# Altium PCB braking_io.PcbDoc (part 1 of 4) (continued)
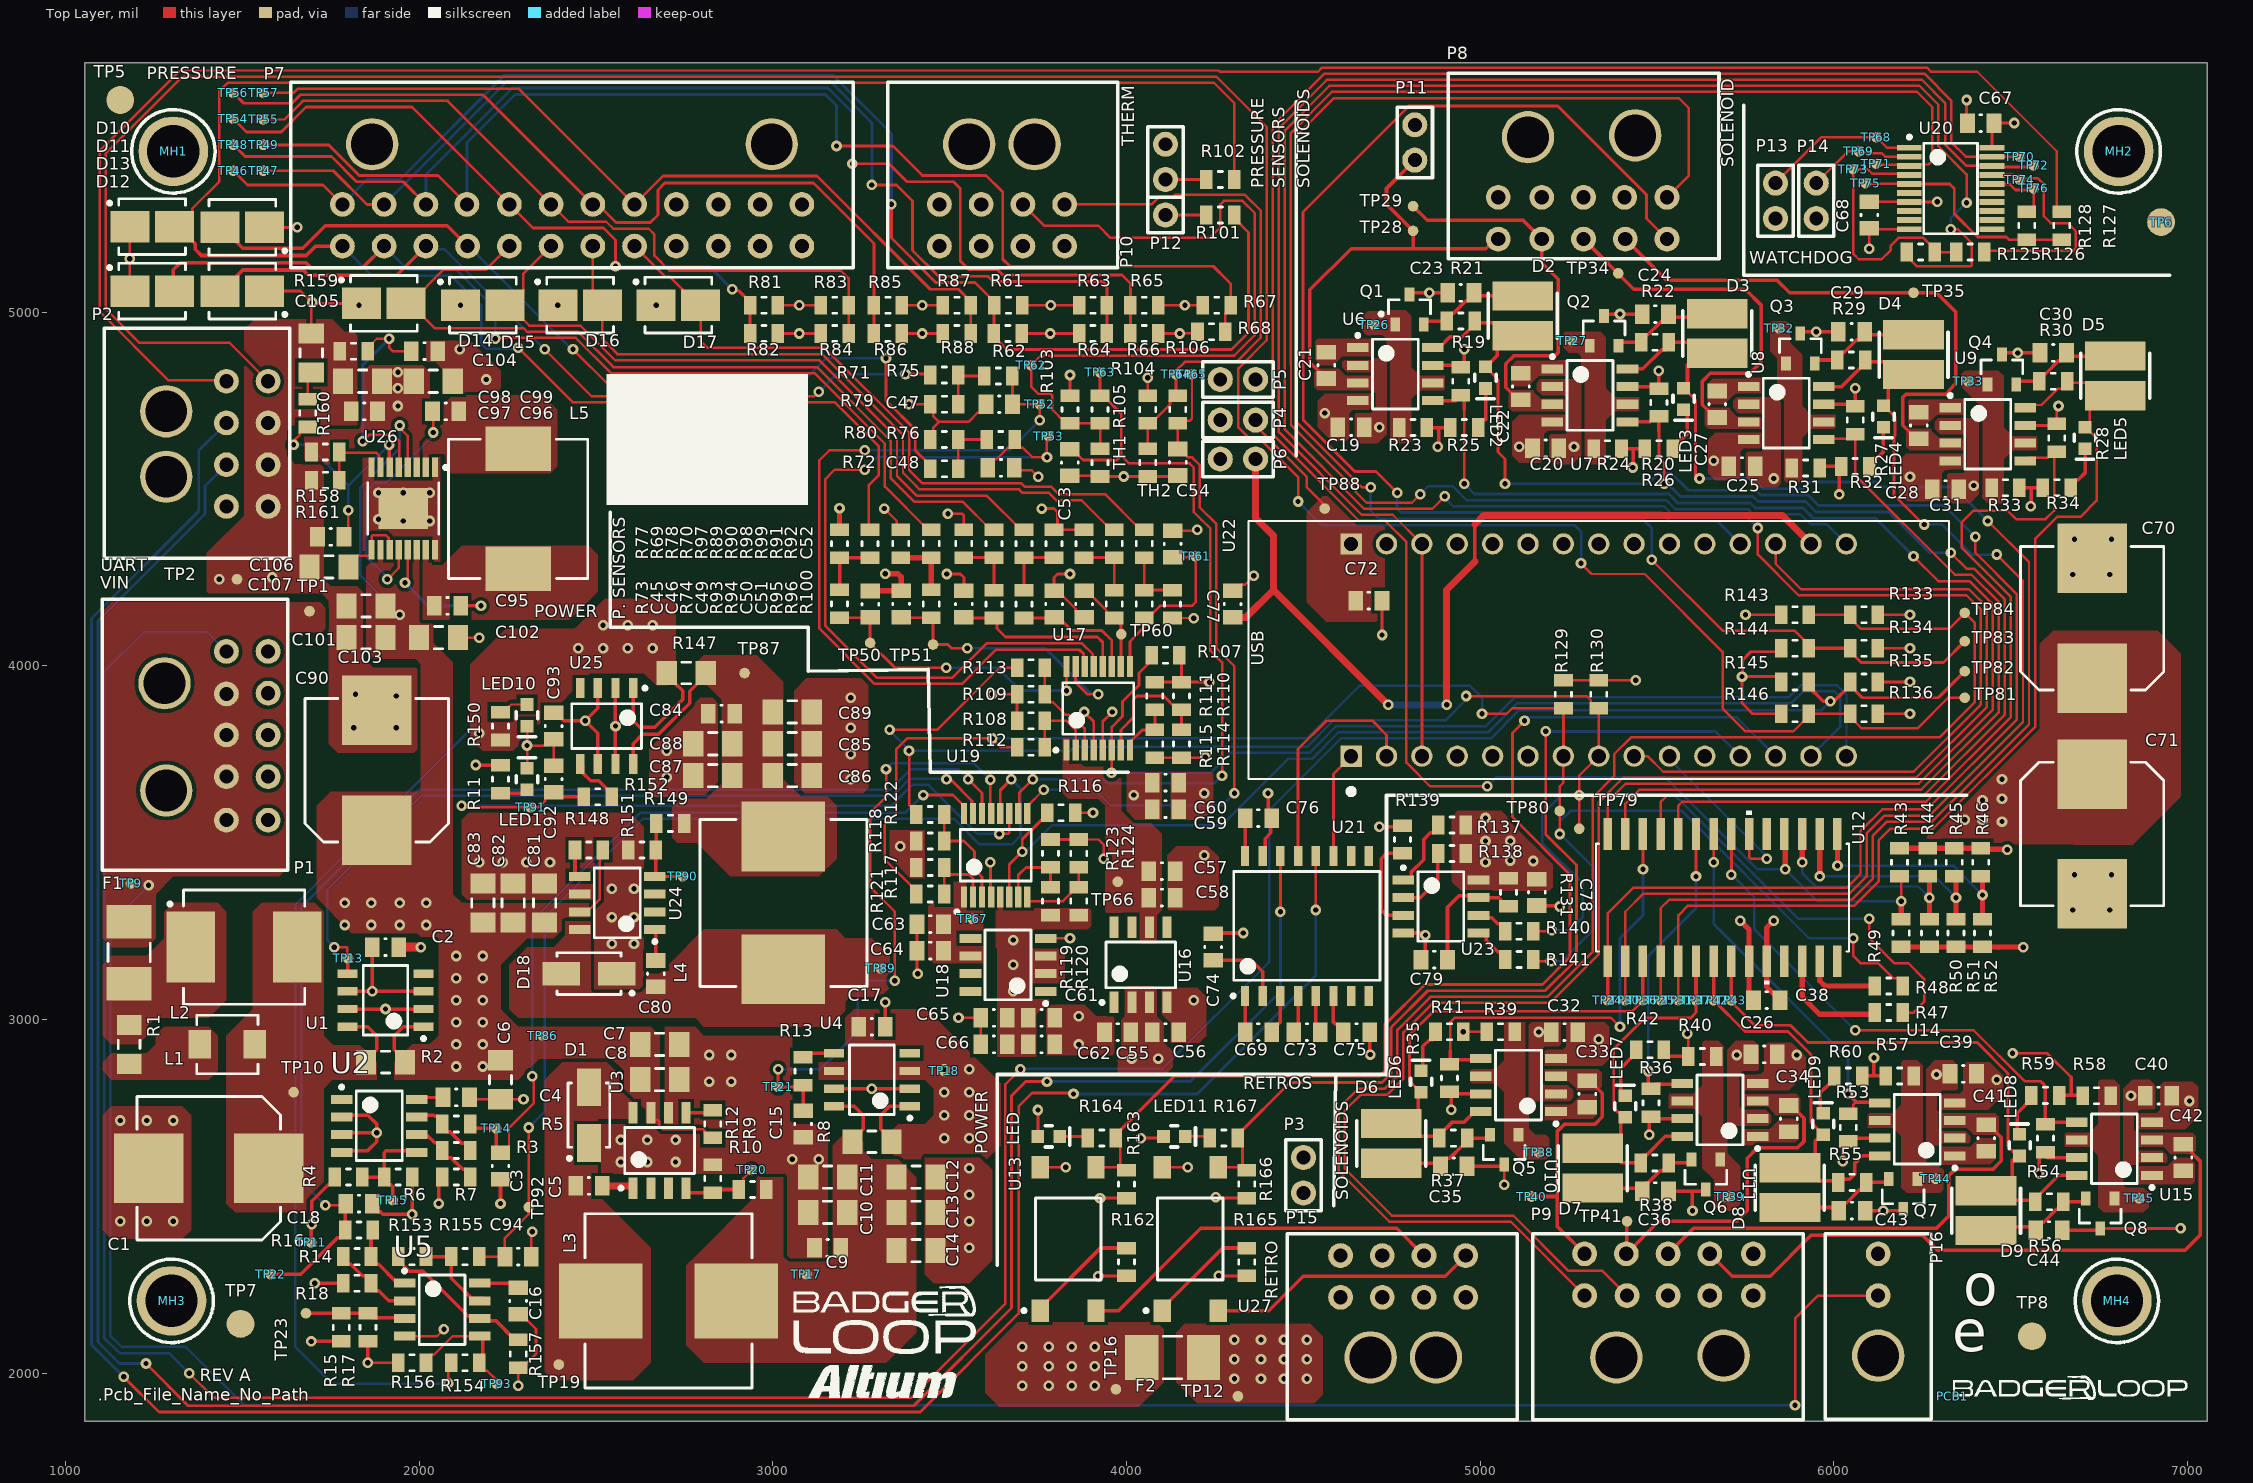
[diagram p0: Top Layer view]
## Components (designator, comment, footprint, x,y, rotation, side; value= is the part's Value field where it differs from the comment)
C1 "PCR1J101MCL1GS" CAPAE110103X126M 1405,2580 r180 top
C2 "0.10µF" SMD-0805C 1905,3205 r180 top
C3 "0.10µF" SMD-0805C 2230,2586.5 r270 top
C4 "0.10µF" SMD-0805C 2105,2780 r0 top
C5 "10000pF" SMD-0805C 2480,2530 r180 top
C6 "22µF" SMD-1206C 2230,2830 r270 top
C7 "4.7µF" SMD-1206C 2680,2930 r0 top
C8 "4.7µF" SMD-1206C 2680,2830.79 r0 top
C9 "0.10µF" SMD-0805C 3155,2355 r180 top
C10 "22µF" SMD-1206C 3155,2455 r180 top
C11 "22µF" SMD-1206C 3155,2555 r180 top
C12 "22µF" SMD-1206C 3405,2555 r0 top
C13 "22µF" SMD-1206C 3405,2455 r0 top
C14 "22µF" SMD-1206C 3405,2347.13 r0 top
C15 "0.10µF" SMD-0805C 3085.51,2705 r270 top
C16 "0.10µF" SMD-0805C 2280,2205 r270 top
C17 "0.10µF" SMD-0805C 3280,2980 r180 top
C18 "0.10µF" SMD-0805C 1830,2480 r0 top
C19 "0.10µF" SMD-0805C 4635,4675 r180 top
C20 "0.10µF" SMD-0805C 5185,4615 r180 top
C21 "0.10µF" SMD-0805C 4565,4850 r270 top
C22 "0.10µF" SMD-0805C 5115,4790 r270 top
C23 "0.22µF" SMD-0805C 4945,5055 r180 top
C24 "0.22µF" SMD-0805C 5495,4995 r180 top
C25 "0.10µF" SMD-0805C 5740,4565 r180 top
C26 "0.10µF" SMD-0805C 5802.83,2901.73 r0 top
C27 "0.10µF" SMD-0805C 5670,4740 r270 top
C28 "0.10µF" SMD-0805C 6240,4680 r270 top
C29 "0.22µF" SMD-0805C 6050,4945 r180 top
C30 "0.22µF" SMD-0805C 6620,4885 r180 top
C31 "0.10µF" SMD-0805C 6315,4500 r180 top
C32 "0.10µF" SMD-0805C 5237.83,2965 r0 top
C33 "0.10µF" SMD-0805C 5302.83,2790 r90 top
C34 "0.10µF" SMD-0805C 5872.83,2720 r90 top
C35 "0.22µF" SMD-0805C 4925,2585 r0 top
C36 "0.22µF" SMD-0805C 5495,2515 r0 top
C38 "4.7µF" SMD-0805C 5810,3055 r0 top
C39 "0.10µF" SMD-0805C 6365.67,2846.73 r0 top
C40 "0.10µF" SMD-0805C 6917.83,2785 r0 top
C41 "0.10µF" SMD-0805C 6430.67,2665 r90 top
C42 "0.10µF" SMD-0805C 6987.83,2610 r90 top
C43 "0.22µF" SMD-0805C 6050.67,2460 r0 top
C44 "0.22µF" SMD-0805C 6607.83,2405 r0 top
C45 "0.10µF" SMD-0805C 3275.98,4174.65 r90 top
C46 "0.10µF" SMD-0805C 3362.86,4175.63 r90 top
C47 "0.10µF" SMD-0805C 3640,4740 r180 top
C48 "0.10µF" SMD-0805C 3645,4560 r0 top
C49 "0.10µF" SMD-0805C 3540,4175 r90 top
C50 "0.10µF" SMD-0805C 3795,4175 r90 top
C51 "0.10µF" SMD-0805C 3880,4175 r270 top
C52 "0.10µF" SMD-0805C 4130,4345 r90 top
C53 "0.10µF" SMD-0805C 3840,4575 r270 top
C54 "0.10µF" SMD-0805C 4145,4575.98 r270 top
C55 "1µF" SMD-0805C 3975,2965 r180 top
C56 "0.10µF" SMD-0805C 4110,2965 r0 top
C57 "1µF" SMD-0805C 4100,3420 r0 top
C58 "0.10µF" SMD-0805C 4100,3345 r0 top
C59 "1µF" SMD-0805C 4110,3595 r0 top
C60 "0.10µF" SMD-0805C 4110,3670 r0 top
C61 "1µF" SMD-0805C 3760,3005 r0 top
C62 "0.10µF" SMD-0805C 3760,2930 r0 top
C63 "1µF" SMD-0805C 3445,3270 r180 top
C64 "0.10µF" SMD-0805C 3445,3195 r180 top
C65 "1µF" SMD-0805C 3625,3005 r180 top
C66 "0.10µF" SMD-0805C 3625,2930 r180 top
C67 "0.10µF" SMD-0805C 6415,5535 r180 top
C68 "0.10µF" SMD-0805C 6100,5275 r270 top
C69 "0.10µF" SMD-0805C 4372.6,2965 r180 top
C70 "PCR1J101MCL1GS" CAPAE110103X126M 6730,4135 r90 top
C71 "PCR1J101MCL1GS" CAPAE110103X126M 6730,3525 r270 top
C72 "1µF" SMD-0805C 4685,4185 r0 top
C73 "0.10µF" SMD-0805C 4510,2965 r180 top
C74 "0.10µF" SMD-0805C 4245,3205 r270 top
C75 "0.10µF" SMD-0805C 4650,2965 r180 top
C76 "0.10µF" SMD-0805C 4372.6,3570 r0 top
C77 "1µF" SMD-0805C 4300,4175 r90 top
C78 "1µF" SMD-0805C 5160,3360 r270 top
C79 "1µF" SMD-0805C 4870,3170 r180 top
C80 "10000pF" SMD-0805C 2669.17,3130 r270 top
C81 "22µF" SMD-1206C 2355,3330 r90 top
C82 "4.7µF" SMD-1206C 2265.63,3330 r90 top
C83 "4.7µF" SMD-1206C 2180,3330 r90 top
C84 "0.10µF" SMD-0805C 2855,3865 r180 top
C85 "22µF" SMD-1206C 3055,3780 r0 top
C86 "22µF" SMD-1206C 3055,3690 r0 top
C87 "22µF" SMD-1206C 2830,3690 r180 top
C88 "22µF" SMD-1206C 2830,3780 r180 top
C89 "22µF" SMD-1206C 3055,3870 r0 top
C90 "PCR1J101MCL1GS" CAPAE110103X126M 1880,3705 r90 top
C92 "0.10µF" SMD-0805C 2380,3680 r90 top
C93 "0.10µF" SMD-0805C 2380,3830 r90 top
C94 "0.10µF" SMD-0805C 2280,2330 r0 top
C95 "0.068µF" SMD-0805C 2080,4170 r0 top
C96 "0.068µF" SMD-0805C 2075,4720 r180 top
C97 "1µF" SMD-0805C 1845,4720 r180 top
C98 "22µF" SMD-1206C 1840,4805 r180 top
C99 "22µF" SMD-1206C 2040,4805 r0 top
C101 "10µF" SMD-1206C 1850,4170 r180 top
C102 "10µF" SMD-1206C 2055,4080 r0 top
C103 "1µF" SMD-1206C 1850,4080 r180 top
C104 "0.015µF" SMD-0805C 2015,4890 r0 top
C105 "10µF" SMD-1206C 1695,4885 r90 top
C106 "10pF" SMD-0805C 1750,4365 r180 top
C107 "4.7µF" SMD-1206C 1745,4280 r180 top
D1 "B340A-13-F" DIOM4326X20N 2480,2730 r90 top
D2 "1N4148WQ-7-F" INDM3838X18N 5120,4990 r270 top
D3 "1N4148WQ-7-F" INDM3838X18N 5670,4940 r270 top
D4 "1N4148WQ-7-F" INDM3838X18N 6225,4880 r270 top
D5 "1N4148WQ-7-F" INDM3838X18N 6795,4820 r270 top
D6 "1N4148WQ-7-F" INDM3838X18N 4747.83,2650 r90 top
D7 "1N4148WQ-7-F" INDM3838X18N 5317.83,2580 r90 top
D8 "1N4148WQ-7-F" INDM3838X18N 5875.67,2525 r90 top
D9 "1N4148WQ-7-F" INDM3838X18N 6430,2460 r90 top
D10 "SMBJ15A" DIOM4436X26N 1245,5242.4 r0 top
D11 "SMBJ15A" DIOM4436X26N 1245,5060 r0 top
D12 "SMBJ15A" DIOM4436X26N 1500,5060 r180 top
D13 "SMBJ15A" DIOM4436X26N 1500,5240 r180 top
D14 "SMBJ15A" DIOM4436X26N 1900,5025 r0 top
D15 "SMBJ15A" DIOM4436X26N 2180,5020 r0 top
D16 "SMBJ15A" DIOM4436X26N 2455,5020 r0 top
D17 "SMBJ15A" DIOM4436X26N 2732.99,5020 r0 top
D18 "B340A-13-F" DIOM4326X20N 2480,3130 r180 top
F1 "CB61F15A-TR1" RESC6132X26N 1180,3189.65 r270 top
F2 "CB61F15A-TR1" RESC6132X26N 4130,2045 r0 top
L1 "0410CDMCCDS-R10MC" INDM4442X20N 1457.76,2930 r0 top
L2 "IHLP3232DZER1R0M11" INDM8682X40N 1505,3205 r0 top
L3 "SRR1280A-330M" INDM120125X75N 2705,2205 r0 top
L4 "SRR1210-390M" INDM120120X100N 3030,3330 r90 top
L5 "744066150" INDP100100X38N 2280,4444.29 r90 top
LED "LED GREEN 0603" "LED 0603 GREEN" 3780,2670 r0 top
LED1 "LED GREEN 0603" "LED 0603 GREEN" 2305,3680 r90 top
LED2 "GREEN" "LED 0603 GREEN" 5015,4815 r270 top
LED3 "GREEN" "LED 0603 GREEN" 5575,4755 r270 top
LED4 "GREEN" "LED 0603 GREEN" 6140,4705 r270 top
LED5 "GREEN" "LED 0603 GREEN" 6710,4645 r270 top
LED6 "GREEN" "LED 0603 GREEN" 4832.83,2825 r90 top
LED7 "GREEN" "LED 0603 GREEN" 5410,2755 r90 top
LED8 "GREEN" "LED 0603 GREEN" 6525,2645 r90 top
LED9 "GREEN" "LED 0603 GREEN" 5970,2705 r90 top
LED10 "LED GREEN 0603" "LED 0603 GREEN" 2305,3860.51 r270 top
LED11 "LED GREEN 0603" "LED 0603 GREEN" 4135,2670 r0 top
MH1 "4-40 Mount Hole" MH 1305,5455 r0 top
MH2 "4-40 Mount Hole" MH 6805,5455 r0 top
MH3 "4-40 Mount Hole" MH 1300,2205 r0 top
MH4 "4-40 Mount Hole" MH 6800,2205 r0 top
P1 "43045-1000" 430451000 1285,3648 r270 top
P2 "43045-0800" 430450800 1285,4535 r270 top
P3 "Header 2" "Pin Header 1x2 TH Pitch 2.54mm" 4500,2510 r90 top
P4 "Header 2" "Pin Header 1x2 TH Pitch 2.54mm" 4365,4695 r180 top
P5 "Header 2" "Pin Header 1x2 TH Pitch 2.54mm" 4365,4810 r180 top
P6 "Header 2" "Pin Header 1x2 TH Pitch 2.54mm" 4365,4585 r180 top
P7 "43045-2400" 430452400 1867,5475 r180 top
P8 "43045-1000" 430451000 5135,5495 r180 top
P9 "43045-1000" 430451000 5688,2050 r0 top
P10 "43045-0800" 430450800 3555,5475 r180 top
P11 "Header 2" "Pin Header 1x2 TH Pitch 2.54mm" 4815,5430 r90 top
P12 "Header 3" "Pin Header 1x3 TH Pitch 2.54mm" 4110,5275 r90 top
P13 "Header 2" "Pin Header 1x2 TH Pitch 2.54mm" 5835,5265 r90 top
P14 "Header 2" "Pin Header 1x2 TH Pitch 2.54mm" 5950,5265 r90 top
P15 "43045-0800" 430450800 4875,2045 r0 top
P16 "43045-0200" 430450200 6125,2050 r0 top
PCB1 "HV_IO" PCB 6335,1935 r0 top
Q1 "MMBT3906" SOTFL103P240X110-3N 4865,4942.68 r90 top
Q2 "MMBT3906" SOTFL103P240X110-3N 5415,4882.68 r90 top
Q3 "MMBT3906" SOTFL103P240X110-3N 5970,4832.68 r90 top
Q4 "MMBT3906" SOTFL103P240X110-3N 6540,4772.68 r90 top
Q5 "MMBT3906" SOTFL103P240X110-3N 5002.83,2697.32 r270 top
Q6 "MMBT3906" SOTFL103P240X110-3N 5572.83,2627.32 r270 top
Q7 "MMBT3906" SOTFL103P240X110-3N 6130.67,2572.32 r270 top
Q8 "MMBT3906" SOTFL103P240X110-3N 6687.83,2517.32 r270 top
R1 "0.18" SMD-1206-RES 1180,2930 r270 top
R2 "0.002" SMD-1206-RES 1905,2880 r0 top
R3 "16k" SMD-0805-RES 2105,2630 r0 top
R4 "100k" SMD-0805-RES 1800.28,2555 r0 top
R5 "30k" SMD-0805-RES 2105,2705 r0 top
R6 "10k" SMD-0805-RES 1940.63,2555 r180 top
R7 "10k" SMD-0805-RES 2105,2555 r0 top
R8 "0.01" SMD-1206-RES 3280,2655 r0 top
R9 "1k" SMD-0805-RES 2830,2705 r90 top
R10 "10k" SMD-0805-RES 2942.5,2519.76 r0 top
R11 "330" SMD-0805-RES 2230,3680 r90 top
R12 "3.24k" SMD-0805-RES 2830,2550.28 r270 top
R13 "30k" SMD-0805-RES 3085,2854.37 r270 top
R14 "16k" SMD-0805-RES 1824.49,2330 r0 top
R15 "10k" SMD-0805-RES 1780,2130 r270 top
R16 "30k" SMD-0805-RES 1830,2405 r180 top
R17 "10k" SMD-0805-RES 1855,2130 r90 top
R18 "10k" SMD-0805-RES 1824.49,2255 r0 top
R19 "10k" SMD-0805-RES 4945,4805 r270 top
R20 "10k" SMD-0805-RES 5505,4745 r270 top
R21 "100k" SMD-0805-RES 4945,4975 r0 top
R22 "100k" SMD-0805-RES 5494.02,4915 r0 top
R23 "100k" SMD-0805-RES 4810,4674.02 r0 top
R24 "100k" SMD-0805-RES 5360,4614.02 r0 top
R25 "200" SMD-0805-RES 4955,4674.02 r0 top
R26 "200" SMD-0805-RES 5505,4614.02 r0 top
R27 "10k" SMD-0805-RES 6060,4695 r270 top
R28 "10k" SMD-0805-RES 6630,4645 r270 top
R29 "100k" SMD-0805-RES 6049.02,4865 r0 top
R30 "100k" SMD-0805-RES 6620,4805 r0 top
R31 "100k" SMD-0805-RES 5920,4560 r0 top
R32 "200" SMD-0805-RES 6060,4564.02 r0 top
R33 "100k" SMD-0805-RES 6485,4504.02 r0 top
R34 "200" SMD-0805-RES 6630,4504.02 r0 top
R35 "10k" SMD-0805-RES 4912.83,2835 r90 top
R36 "10k" SMD-0805-RES 5482.83,2765 r90 top
R37 "100k" SMD-0805-RES 4923.82,2665 r180 top
R38 "100k" SMD-0805-RES 5493.82,2595 r180 top
R39 "100k" SMD-0805-RES 5057.83,2965.98 r180 top
R40 "100k" SMD-0805-RES 5627.83,2895.98 r180 top
R41 "200" SMD-0805-RES 4912.83,2965.98 r180 top
R42 "200" SMD-0805-RES 5480,2915 r180 top
R43 "0.0" SMD-0805-RES 6185,3445 r90 top
R44 "0.0" SMD-0805-RES 6265,3445 r90 top
R45 "0.0" SMD-0805-RES 6340,3445 r90 top
R46 "0.0" SMD-0805-RES 6415,3445 r90 top
R47 "0.0" SMD-0805-RES 6155,3020 r180 top
R48 "0.0" SMD-0805-RES 6155,3095 r180 top
R49 "0.0" SMD-0805-RES 6190,3245 r90 top
R50 "0.0" SMD-0805-RES 6270,3245 r90 top
R51 "0.0" SMD-0805-RES 6345,3245 r90 top
R52 "0.0" SMD-0805-RES 6420,3245 r90 top
R53 "10k" SMD-0805-RES 6040.67,2695 r90 top
R54 "10k" SMD-0805-RES 6597.83,2665 r90 top
R55 "100k" SMD-0805-RES 6051.65,2540 r180 top
R56 "100k" SMD-0805-RES 6608.82,2485 r180 top
R57 "100k" SMD-0805-RES 6185.67,2840.98 r180 top
R58 "100k" SMD-0805-RES 6742.83,2785 r180 top
R59 "200" SMD-0805-RES 6597.83,2785.98 r180 top
R60 "200" SMD-0805-RES 6040.67,2840.98 r180 top
R61 "0.0" SMD-0805-RES 3665.63,5020 r0 top
R62 "0.0" SMD-0805-RES 3664.37,4940 r0 top
R63 "0.0" SMD-0805-RES 3905,5020 r180 top
R64 "0.0" SMD-0805-RES 3905,4940 r180 top
R65 "0.0" SMD-0805-RES 4050,5020 r0 top
R66 "0.0" SMD-0805-RES 4050,4940 r0 top
R67 "0.0" SMD-0805-RES 4255,5020 r180 top
R68 "0.0" SMD-0805-RES 4240,4945 r180 top
R69 "0.0" SMD-0805-RES 3275,4345.63 r90 top
R70 "0.0" SMD-0805-RES 3447.86,4345.63 r90 top
R71 "0.0" SMD-0805-RES 3485,4822.6 r180 top
R72 "0.0" SMD-0805-RES 3485,4557.6 r180 top
R73 "30k" SMD-0805-RES 3188.57,4175.63 r270 top
R74 "30k" SMD-0805-RES 3447.86,4175.63 r270 top
R75 "30k" SMD-0805-RES 3637.6,4820 r0 top
R76 "30k" SMD-0805-RES 3644.37,4640 r0 top
R77 "200" SMD-0805-RES 3188.57,4345.63 r270 top
R78 "200" SMD-0805-RES 3361.43,4345.63 r270 top
R79 "200" SMD-0805-RES 3485,4740 r0 top
R80 "200" SMD-0805-RES 3485,4640 r0 top
R81 "0.0" SMD-0805-RES 2975,5020 r0 top
R82 "0.0" SMD-0805-RES 2975,4940 r0 top
R83 "0.0" SMD-0805-RES 3175,5020 r180 top
R84 "0.0" SMD-0805-RES 3175,4940 r180 top
R85 "0.0" SMD-0805-RES 3325,5020 r0 top
R86 "0.0" SMD-0805-RES 3325,4940 r0 top
R87 "0.0" SMD-0805-RES 3520,5020 r180 top
R88 "0.0" SMD-0805-RES 3520,4940 r180 top
R89 "0.0" SMD-0805-RES 3625,4345.63 r90 top
R90 "0.0" SMD-0805-RES 3710,4345.63 r90 top
R91 "0.0" SMD-0805-RES 3965,4345.63 r90 top
R92 "0.0" SMD-0805-RES 4050,4345.63 r90 top
R93 "30k" SMD-0805-RES 3625,4175 r270 top
R94 "30k" SMD-0805-RES 3710,4175 r270 top
R95 "30k" SMD-0805-RES 3965,4175 r270 top
R96 "30k" SMD-0805-RES 4050,4175 r270 top
R97 "200" SMD-0805-RES 3540,4345.63 r270 top
R98 "200" SMD-0805-RES 3795,4345.63 r270 top
R99 "200" SMD-0805-RES 3880,4345.63 r270 top
R100 "200" SMD-0805-RES 4130,4175 r90 top
R101 "0.0" SMD-0805-RES 4265,5275 r0 top
R102 "0.0" SMD-0805-RES 4265,5375 r0 top
R103 "10k" SMD-0805-RES 3840,4725 r90 top
R104 "10k" SMD-0805-RES 4060,4725 r90 top
R105 "30k" SMD-0805-RES 3925,4725 r90 top
R106 "30k" SMD-0805-RES 4145,4725 r270 top
R107 "10k" SMD-0805-RES 4110,4030 r0 top
R108 "10k" SMD-0805-RES 3730,3845 r180 top
R109 "10k" SMD-0805-RES 3730,3920 r180 top
R110 "10k" SMD-0805-RES 4155,3915 r90 top
R111 "10k" SMD-0805-RES 4080,3915 r90 top
R112 "0.0" SMD-0805-RES 3730,3770 r180 top
R113 "0.0" SMD-0805-RES 3730,3995 r180 top
R114 "10k" SMD-0805-RES 4155,3780 r90 top
R115 "10k" SMD-0805-RES 4080,3780 r90 top
R116 "10k" SMD-0805-RES 3815,3585 r0 top
R117 "10k" SMD-0805-RES 3445,3430 r180 top
R118 "10k" SMD-0805-RES 3445,3505 r180 top
R119 "10k" SMD-0805-RES 3785,3335 r270 top
R120 "10k" SMD-0805-RES 3865,3335 r270 top
R121 "0.0" SMD-0805-RES 3445,3355 r180 top
R122 "0.0" SMD-0805-RES 3445,3580 r180 top
R123 "10k" SMD-0805-RES 3785,3470 r270 top
R124 "10k" SMD-0805-RES 3865,3470 r270 top
R125 "0.0" SMD-0805-RES 6245,5170 r0 top
R126 "0.0" SMD-0805-RES 6385,5170 r0 top
R127 "0.0" SMD-0805-RES 6644.01,5245 r270 top
R128 "0.0" SMD-0805-RES 6545,5245 r90 top
R129 "10k" SMD-0805-RES 5235,3920 r90 top
R130 "10k" SMD-0805-RES 5335,3920 r90 top
R131 "0.0" SMD-0805-RES 5080,3360 r90 top
R133 "10k" SMD-0805-RES 6085,4145 r0 top
R134 "10k" SMD-0805-RES 6085,4050 r0 top
R135 "10k" SMD-0805-RES 6085,3955 r0 top
R136 "10k" SMD-0805-RES 6085,3865 r0 top
R137 "0.0" SMD-0805-RES 4920,3550 r0 top
R138 "0.0" SMD-0805-RES 4920,3470 r0 top
R139 "0.0" SMD-0805-RES 4780,3509.37 r90 top
R140 "0.0" SMD-0805-RES 5110,3250 r180 top
R141 "0.0" SMD-0805-RES 5110,3170 r180 top
R143 "10k" SMD-0805-RES 5890,4145 r0 top
R144 "10k" SMD-0805-RES 5890,4050 r0 top
R145 "10k" SMD-0805-RES 5890,3955 r0 top
R146 "10k" SMD-0805-RES 5890,3865 r0 top
R147 "0.01" SMD-1206-RES 2755,3980 r180 top
R148 "1k" SMD-0805-RES 2480,3480 r180 top
R149 "10k" SMD-0805-RES 2710,3555 r0 top
R150 "330" SMD-0805-RES 2230,3830 r270 top
R151 "1.8k" SMD-0805-RES 2630,3480 r0 top
R152 "30k" SMD-0805-RES 2505,3630 r180 top
R153 "12k" SMD-0805-RES 1980,2330 r0 top
R154 "10k" SMD-0805-RES 2130,2030 r180 top
R155 "30k" SMD-0805-RES 2130,2330 r0 top
R156 "10k" SMD-0805-RES 1980,2030 r0 top
R157 "10k" SMD-0805-RES 2280,2055 r90 top
R158 "2M" SMD-0805-RES 1735,4605 r180 top
R159 "49.9k" SMD-0805-RES 1815,4890 r0 top
R160 "34.8k" SMD-0805-RES 1685,4715 r270 top
R161 "86.6k" SMD-0805-RES 1735,4525 r0 top
R162 "1k" SMD-0805-RES 4000,2315 r90 top
R163 "10k" SMD-0805-RES 4000,2535 r270 top
R164 "200" SMD-0805-RES 3930,2665.57 r180 top
R165 "1k" SMD-0805-RES 4340,2315 r90 top
R166 "10k" SMD-0805-RES 4340,2535 r270 top
R167 "200" SMD-0805-RES 4275,2665.57 r180 top
TH1 "NCP21XM472J03RA" SMD-0805-RES 3925,4575 r90 top
TH2 "NCP21XM472J03RA" SMD-0805-RES 4060,4575 r90 top
TP1 "TP" "Test Point" 1690,4155 r0 top
TP2 "TP" "Test Point" 1485,4245 r0 top
TP5 "2mm_Fiducial" 2mm_Fiducial 1155,5600 r0 top
TP6 "2mm_Fiducial" 2mm_Fiducial 6925,5255 r0 top
TP7 "2mm_Fiducial" 2mm_Fiducial 1495,2140 r0 top
TP8 "2mm_Fiducial" 2mm_Fiducial 6560,2105 r0 top
TP9 "TP" "Test Point" 1185,3385 r0 top
TP10 "TP" "Test Point" 1645,2795 r90 top
TP11 "TP" "Test Point" 1695,2370 r90 top
TP12 "TP" "Test Point" 4315,1935 r90 top
TP13 "TP" "Test Point" 1798.86,3173.86 r90 top
TP14 "TP" "Test Point" 2217.5,2692.5 r90 top
TP15 "TP" "Test Point" 1925,2490 r90 top
TP16 "TP" "Test Point" 3970,1955 r90 top
TP17 "TP" "Test Point" 3095,2280 r90 top
TP18 "TP" "Test Point" 3485,2855 r90 top
TP19 "TP" "Test Point" 2395,2025 r90 top
TP20 "TP" "Test Point" 2940,2575 r90 top
TP21 "TP" "Test Point" 3015,2810 r90 top
TP22 "TP" "Test Point" 1580,2280 r90 top
TP23 "TP" "Test Point" 1680,2170 r90 top
TP24 "TP" "Test Point" 5360,3055 r90 top
TP25 "TP" "Test Point" 5510,3055 r90 top
TP26 "TP" "Test Point" 4700,4965 r90 top
TP27 "TP" "Test Point" 5260,4920 r90 top
TP28 "TP" "Test Point" 4810,5230 r90 top
TP29 "TP" "Test Point" 4810,5300 r90 top
TP30 "TP" "Test Point" 5410,3055 r90 top
TP31 "TP" "Test Point" 5560,3055 r90 top
TP32 "TP" "Test Point" 5845,4955 r90 top
TP33 "TP" "Test Point" 6380,4805 r90 top
TP34 "TP" "Test Point" 5390,5110 r90 top
TP35 "TP" "Test Point" 6225,5055 r90 top
TP36 "TP" "Test Point" 5460,3055 r90 top
TP37 "TP" "Test Point" 5610,3055 r90 top
TP38 "TP" "Test Point" 5165,2625 r90 top
TP39 "TP" "Test Point" 5705,2500 r90 top
TP40 "TP" "Test Point" 5145,2500 r90 top
TP41 "TP" "Test Point" 5415,2430 r90 top
TP42 "TP" "Test Point" 5660,3055 r90 top
TP43 "TP" "Test Point" 5710,3055 r90 top
TP44 "TP" "Test Point" 6287.83,2550 r270 top
TP45 "TP" "Test Point" 6862.83,2495 r90 top
TP46 "TP" "Test Point" 1475,5400 r180 top
TP47 "TP" "Test Point" 1560,5400 r180 top
TP48 "TP" "Test Point" 1475,5473.33 r180 top
TP49 "TP" "Test Point" 1560,5473.33 r180 top
TP50 "TP" "Test Point" 3275,4065 r270 top
TP51 "TP" "Test Point" 3452.86,4060.63 r270 top
TP52 "TP" "Test Point" 3755,4740 r0 top
TP53 "TP" "Test Point" 3780,4650 r0 top
TP54 "TP" "Test Point" 1475,5546.67 r180 top
TP55 "TP" "Test Point" 1560,5545 r180 top
TP56 "TP" "Test Point" 1475,5620 r180 top
TP57 "TP" "Test Point" 1560,5620 r180 top
TP60 "TP" "Test Point" 3985,4090 r180 top
TP61 "TP" "Test Point" 4195,4310 r90 top
TP62 "TP" "Test Point" 3730,4850 r90 top
TP63 "TP" "Test Point" 3925,4830 r90 top
TP64 "TP" "Test Point" 4140,4825 r90 top
TP65 "TP" "Test Point" 4185,4825 r90 top
TP66 "TP" "Test Point" 3975,3390 r180 top
TP67 "TP" "Test Point" 3565,3285 r180 top
TP68 "TP" "Test Point" 6120,5495 r90 top
TP69 "TP" "Test Point" 6070,5455 r90 top
TP70 "TP" "Test Point" 6525,5440 r90 top
TP71 "TP" "Test Point" 6120,5420 r90 top
TP72 "TP" "Test Point" 6565,5415 r90 top
TP73 "TP" "Test Point" 6055,5405 r90 top
TP74 "TP" "Test Point" 6525,5375 r90 top
TP75 "TP" "Test Point" 6090,5365 r90 top
TP76 "TP" "Test Point" 6565,5350 r90 top
TP79 "TP" "Test Point" 5280,3540 r90 top
TP80 "TP" "Test Point" 5225,3590 r90 top
TP81 "TP" "Test Point" 6370,3910 r0 top
TP82 "TP" "Test Point" 6370,3985 r0 top
TP83 "TP" "Test Point" 6370,4070 r0 top
TP84 "TP" "Test Point" 6370,4150 r0 top
TP86 "TP" "Test Point" 2350,2955 r90 top
TP87 "TP" "Test Point" 2920,3980 r90 top
TP88 "TP" "Test Point" 4560,4445 r90 top
TP89 "TP" "Test Point" 3305,3145 r90 top
TP90 "TP" "Test Point" 2745,3405 r90 top
TP91 "TP" "Test Point" 2315,3600 r90 top
TP92 "TP" "Test Point" 2310,2470 r90 top
TP93 "TP" "Test Point" 2220,1970 r90 top
U1 "INA240x" SOIC127P600X175-8N 1905,3055 r180 top
U2 "TL072CDR" SOP127P600X175-8N#1 1887.09,2699.88 r0 top
U3 "TPS5420" SOP127P600X175-8N#2 2680,2630 r90 top
U4 "INA240x" SOIC127P600X175-8N 3280,2830 r180 top
U5 "TL072CDR" SOP127P600X175-8N#3 2065,2180 r0 top
U6 "MPQ6610" SOP127P600X175-8N#2 4760,4825 r0 top
U7 "MPQ6610" SOP127P600X175-8N#2 5310,4765 r0 top
U8 "MPQ6610" SOP127P600X175-8N#2 5865,4715 r0 top
U9 "MPQ6610" SOP127P600X175-8N#2 6435,4655 r0 top
U10 "MPQ6610" SOP127P600X175-8N#2 5107.83,2815 r180 top
U11 "MPQ6610" SOP127P600X175-8N#2 5677.83,2745 r180 top
U12 "MCP23017T-E/SO" SOIC28-W_MC-M 5685,3345 r90 top
U13 "TPC817" SOT200P1005X328-5N 3835,2380 r90 top
U14 "MPQ6610" SOP127P600X175-8N#2 6235.67,2690 r180 top
U15 "MPQ6610" SOP127P600X175-8N#2 6792.83,2635 r180 top
U16 "REF194GSZ" SOP127P600X175-8N#2 4040,3155 r90 top
U17 "ADC128D818CIMTX/NOPB" TSOP65P660X120-16N 3920,3880 r90 top
U18 "REF194GSZ" SOP127P600X175-8N#2 3665,3155 r180 top
U19 "ADC128D818CIMTX/NOPB" TSOP65P660X120-16N 3630,3465 r90 top
U20 "SLG46826" SOP65P640X175-20N 6330,5350 r0 top
U21 "MAX3232CDR" SOP127P1060X175-16N 4510,3265 r90 top
U22 "NUCLEO-L432KC" NUCLEO-L432KC 4635,3745 r90 top
U23 "CAT24C32WIGT3" SOP127P600X175-8N#2 4888.7,3320 r0 top
U24 "TPS5420" SOP127P600X175-8N#2 2559.92,3330 r180 top
U25 "INA240x" SOIC127P600X175-8N 2530,3830 r270 top